# KiCad board jetson-agx-thor-baseboard.kicad_pcb (continued)
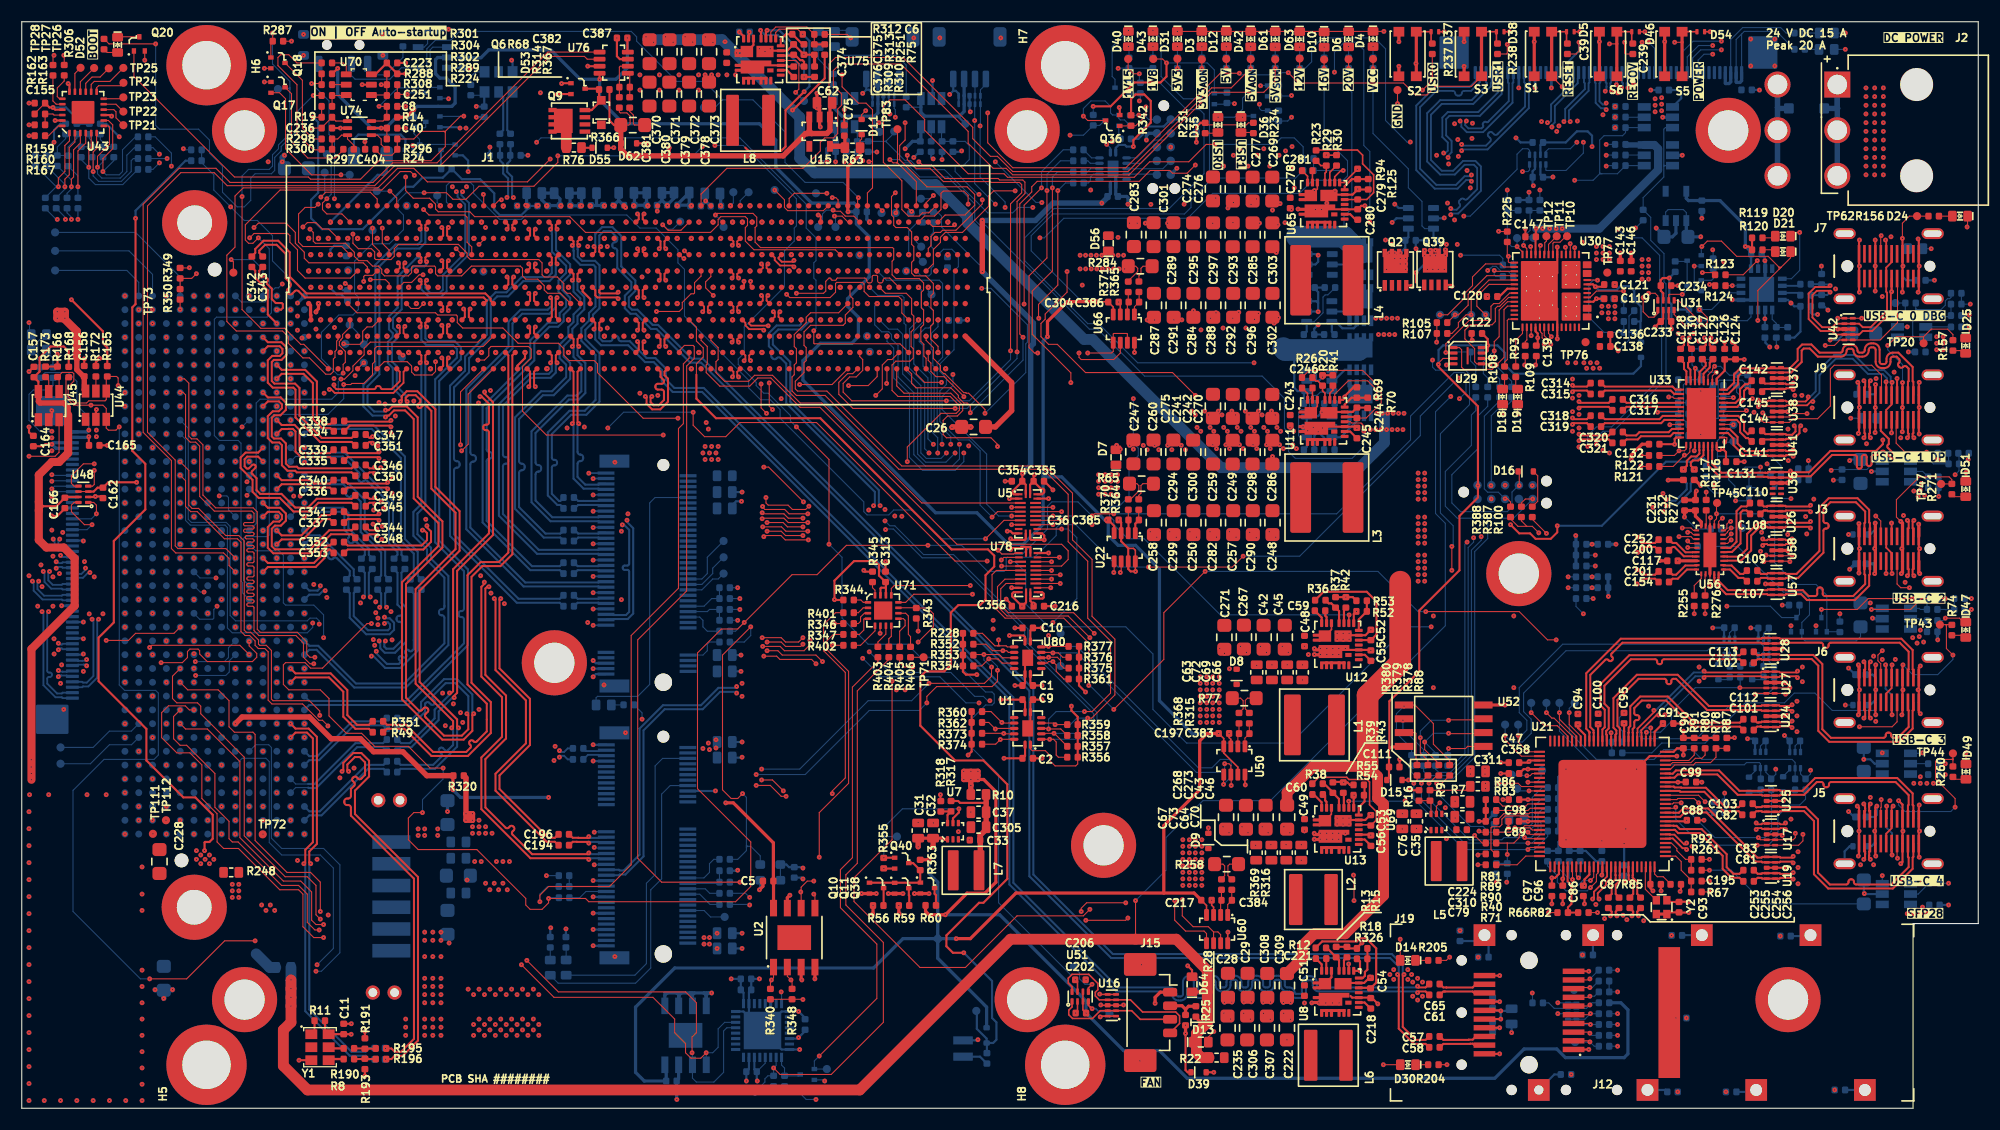
[diagram p0: board, top side]
## Footprints (pads in the part's own frame, mm; a bottom-side part is the same pattern mirrored in y, then rotated) (continued)
Bus_M.2_Socket_Key_E_TE_2199230-6
  round 1.1 hole 1.1 unplated: (-9.999,-1.499)
  round 1.6 hole 1.6 unplated: (9.999,-1.499)
  rect 0.3x1.55 smd: 1(-9.249,3.749) 2(-9.001,-3.749) 3(-8.751,3.749) 4(-8.501,-3.749) 5(-8.251,3.749) 6(-8,-3.749) 7(-7.75,3.749) 8(-7.5,-3.749) 9(-7.25,3.749) 10(-7,-3.749) 11(-6.75,3.749) 12(-6.5,-3.749) 13(-6.25,3.749) 14(-6,-3.749) 15(-5.75,3.749) 16(-5.5,-3.749) 17(-5.25,3.749) 18(-5.001,-3.749) 19(-4.751,3.749) 20(-4.501,-3.749) 21(-4.251,3.749) 22(-4.001,-3.749) 23(-3.75,3.749) 32(-1.5,-3.749) 33(-1.25,3.749) 34(-1,-3.749) 35(-0.75,3.749) 36(-0.5,-3.749) 37(-0.25,3.749) 38(0,-3.749) 39(0.25,3.749) 40(0.5,-3.749) 41(0.75,3.749) 42(1,-3.749) 43(1.25,3.749) 44(1.5,-3.749) 45(1.75,3.749) 46(2,-3.749) 47(2.25,3.749) 48(2.5,-3.749) 49(2.75,3.749) 50(3,-3.749) 51(3.25,3.749) 52(3.5,-3.749) 53(3.75,3.749) 54(4,-3.749) 55(4.25,3.749) 56(4.5,-3.749) 57(4.75,3.749) 58(5,-3.749) 59(5.25,3.749) 60(5.5,-3.749) 61(5.75,3.749) 62(6,-3.749) 63(6.25,3.749) 64(6.5,-3.749) 65(6.75,3.749) 66(6.999,-3.749) 67(7.249,3.749) 68(7.499,-3.749) 69(7.749,3.749) 70(7.999,-3.749) 71(8.249,3.749) 72(8.499,-3.749) 73(8.749,3.749) 74(8.999,-3.749) 75(9.249,3.749)
  rect 1.2x2.75 smd: MP(-10.35,3.001) MP(10.351,3.001)
Bus_M.2_Socket_Key_M_TE_1-2199230-6
  round 1.1 hole 1.1 unplated: (-10,-1.499)
  round 1.6 hole 1.6 unplated: (9.997,-1.499)
  rect 0.3x1.55 smd: 1(-9.25,3.775) 2(-9.003,-3.773) 3(-8.753,3.775) 4(-8.503,-3.773) 5(-8.253,3.775) 6(-8.001,-3.773) 7(-7.752,3.775) 8(-7.502,-3.773) 9(-7.252,3.775) 10(-7.002,-3.773) 11(-6.752,3.775) 12(-6.502,-3.773) 13(-6.252,3.775) 14(-6.002,-3.773) 15(-5.752,3.775) 16(-5.502,-3.773) 17(-5.252,3.775) 18(-5.002,-3.773) 19(-4.752,3.775) 20(-4.502,-3.773) 21(-4.252,3.775) 22(-4.002,-3.773) 23(-3.751,3.775) 24(-3.501,-3.773) 25(-3.251,3.775) 26(-3.001,-3.773) 27(-2.751,3.775) 28(-2.501,-3.773) 29(-2.251,3.775) 30(-2.001,-3.773) 31(-1.752,3.775) 32(-1.502,-3.773) 33(-1.252,3.775) 34(-1.002,-3.773) 35(-0.751,3.775) 36(-0.501,-3.773) 37(-0.251,3.775) 38(-0.001,-3.773) 39(0.248,3.775) 40(0.498,-3.773) 41(0.748,3.775) 42(0.998,-3.773) 43(1.249,3.775) 44(1.499,-3.773) 45(1.749,3.775) 46(1.999,-3.773) 47(2.249,3.775) 48(2.499,-3.773) 49(2.749,3.775) 50(2.999,-3.773) 51(3.249,3.775) 52(3.499,-3.773) 53(3.749,3.775) 54(3.999,-3.773) 55(4.248,3.775) 56(4.498,-3.773) 57(4.748,3.775) 58(4.998,-3.773) 67(7.248,3.775) 68(7.498,-3.773) 69(7.748,3.775) 70(7.998,-3.773) 71(8.247,3.775) 72(8.497,-3.773) 73(8.747,3.775) 74(8.997,-3.773) 75(9.247,3.775)
  rect 1.2x2.75 smd: MP1(-10.352,3) MP2(10.349,3)
C_0402_1005Metric
  rrect 0.59x0.64 smd: 1(-0.48,0) 2(0.48,0)
C_0603_1608Metric_EIA
  rrect 0.8x1.1 smd: 1(-0.7,0) 2(0.7,0)
C_0805_2012Metric
  rrect 1.2x1.3 smd: 1(-1.1,0) 2(1.1,0)
Conn_Amphenol_SFP28_1x20_UE763GA202600T
  round 1.6 hole 1.6 unplated: (0,4.8) (0,-4.8)
  rect 2x0.5 smd: 1(-4.1,3.4) 2(-4.1,2.6) 3(-4.1,1.8) 4(-4.1,1) 5(-4.1,0.2) 6(-4.1,-0.6) 7(-4.1,-1.4) 8(-4.1,-2.2) 9(-4.1,-3) 10(-4.1,-3.8) 11(4.1,-3.4) 12(4.1,-2.6) 13(4.1,-1.8) 14(4.1,-1) 15(4.1,-0.2) 16(4.1,0.6) 17(4.1,1.4) 18(4.1,2.2) 19(4.1,3) 20(4.1,3.8)
Conn_Amphenol_SFP28_Cage_U773GC16382071
  round 0.95 hole 0.95 unplated: (-7.125,1.6) (-7.125,-3.4) (-7.125,-8.1) (-4.8,6.2) (0,6.2) (4.8,6.2) (7.125,1.6) (7.125,-3.4) (7.125,-8.1)
  rect 2x2 hole 0.85: SH(-7.125,-0.9)
  rect 2x2 hole 1.1: SH(-7.125,-10.9) SH(-7.125,-20.9) SH(-7.125,-30.9) SH(7.125,4.1) SH(7.125,-5.9) SH(7.125,-15.9) SH(7.125,-25.9)
  rect 12.05x2 smd: SH(0,-12.9)
Conn_FFC_WE_68715014x22
  rrect 0.3x1.2 smd: 1(-12.25,2.15) 2(-11.75,2.15) 3(-11.25,2.15) 4(-10.75,2.15) 5(-10.25,2.15) 6(-9.75,2.15) 7(-9.25,2.15) 8(-8.75,2.15) 9(-8.25,2.15) 10(-7.75,2.15) 11(-7.25,2.15) 12(-6.75,2.15) 13(-6.25,2.15) 14(-5.75,2.15) 15(-5.25,2.15) 16(-4.75,2.15) 17(-4.25,2.15) 18(-3.75,2.15) 19(-3.25,2.15) 20(-2.75,2.15) 21(-2.25,2.15) 22(-1.75,2.15) 23(-1.25,2.15) 24(-0.75,2.15) 25(-0.25,2.15) 26(0.248,2.15) 27(0.748,2.15) 28(1.249,2.15) 29(1.749,2.15) 30(2.249,2.15) 31(2.749,2.15) 32(3.249,2.15) 33(3.749,2.15) 34(4.248,2.15) 35(4.748,2.15) 36(5.248,2.15) 37(5.749,2.15) 38(6.249,2.15) 39(6.749,2.15) 40(7.249,2.15) 41(7.749,2.15) 42(8.249,2.15) 43(8.749,2.15) 44(9.249,2.15) 45(9.749,2.15) 46(10.249,2.15) 47(10.749,2.15) 48(11.249,2.15) 49(11.749,2.15) 50(12.249,2.15)
  rrect 2.7x3 smd: MP1(-14.198,0.3) MP2(14.198,0.3)
Conn_Hermaphroditic_Molex_203456-0003_mirrored
  round 0.5 smd: A3(-28.4,-7.5) A4(-27.5,-7.5) A5(-26.6,-7.5) A6(-25.7,-7.5) A7(-24.8,-7.5) A8(-23.9,-7.5) A9(-23,-7.5) A10(-22.1,-7.5) A11(-21.2,-7.5) A12(-20.3,-7.5) A13(-19,-7.5) A14(-18.1,-7.5) A15(-17.2,-7.5) A16(-16.3,-7.5) A17(-15,-7.5) A18(-14.1,-7.5) A19(-13.2,-7.5) A20(-12.3,-7.5) A21(-11,-7.5) A22(-10.1,-7.5) A23(-9.2,-7.5) A24(-8.3,-7.5) A25(-7,-7.5) A26(-6.1,-7.5) A27(-5.2,-7.5) A28(-4.3,-7.5) A29(-3,-7.5) A30(-2.1,-7.5) A31(-1.2,-7.5) A32(-0.3,-7.5) A33(1,-7.5) A34(1.9,-7.5) A35(2.8,-7.5) A36(3.7,-7.5) A37(5,-7.5) A38(5.9,-7.5) A39(6.8,-7.5) A40(7.7,-7.5) A41(8.6,-7.5) A42(9.5,-7.5) A43(10.4,-7.5) A44(11.3,-7.5) A45(12.2,-7.5) A46(13.1,-7.5) A47(14,-7.5) A48(14.9,-7.5) A49(15.8,-7.5) A50(16.7,-7.5) A51(17.6,-7.5) A52(18.5,-7.5) A53(19.4,-7.5) A54(20.3,-7.5) A55(21.2,-7.5) A56(22.1,-7.5) A57(23,-7.5) A58(23.9,-7.5) A59(24.8,-7.5) A60(25.7,-7.5) A61(26.6,-7.5) A62(27.5,-7.5) A63(28.4,-7.5) B3(-28.2,-6) B4(-27.3,-6) B5(-26.4,-6) B6(-25.5,-6) B7(-24.6,-6) B8(-23.7,-6) B9(-22.8,-6) B10(-21.9,-6) B11(-21,-6) B12(-20.1,-6) B13(-19.2,-6) B14(-18.3,-6) B15(-17,-6) B16(-16.1,-6) B17(-15.2,-6) B18(-14.3,-6) B19(-13,-6) B20(-12.1,-6) B21(-11.2,-6) B22(-10.3,-6) B23(-9,-6) B24(-8.1,-6) B25(-7.2,-6) B26(-6.3,-6) B27(-5,-6) B28(-4.1,-6) B29(-3.2,-6) B30(-2.3,-6) B31(-1,-6) B32(-0.1,-6) B33(0.8,-6) B34(1.7,-6) B35(3,-6) B36(3.9,-6) B37(4.8,-6) B38(5.7,-6) B39(7,-6) B40(7.9,-6) B41(8.8,-6) B42(9.7,-6) B43(10.6,-6) B44(11.5,-6) B45(12.4,-6) B46(13.3,-6) B47(14.2,-6) B48(15.1,-6) B49(16,-6) B50(16.9,-6) B51(17.8,-6) B52(18.7,-6) B53(19.6,-6) B54(20.5,-6) B55(21.4,-6) B56(22.3,-6) B57(23.2,-6) B58(24.1,-6) B59(25,-6) B60(25.9,-6) B61(26.8,-6) B62(27.7,-6) B63(28.6,-6) C1(-30.2,-4.5) C2(-29.3,-4.5) C3(-28.4,-4.5) C4(-27.5,-4.5) C5(-26.6,-4.5) C6(-25.7,-4.5) C7(-24.8,-4.5) C8(-23.9,-4.5) C9(-23,-4.5) C10(-22.1,-4.5) C11(-21.2,-4.5) C12(-20.3,-4.5) C13(-19,-4.5) C14(-18.1,-4.5) C15(-17.2,-4.5) C16(-16.3,-4.5) C17(-15,-4.5) C18(-14.1,-4.5) C19(-13.2,-4.5) C20(-12.3,-4.5) C21(-11,-4.5) C22(-10.1,-4.5) C23(-9.2,-4.5) C24(-8.3,-4.5) C25(-7,-4.5) C26(-6.1,-4.5) C27(-5.2,-4.5) C28(-4.3,-4.5) C29(-3,-4.5) C30(-2.1,-4.5) C31(-1.2,-4.5) C32(-0.3,-4.5) C33(1,-4.5) C34(1.9,-4.5) C35(2.8,-4.5) C36(3.7,-4.5) C37(5,-4.5) C38(5.9,-4.5) C39(6.8,-4.5) C40(7.7,-4.5) C41(8.6,-4.5) C42(9.5,-4.5) C43(10.4,-4.5) C44(11.3,-4.5) C45(12.2,-4.5) C46(13.1,-4.5) C47(14,-4.5) C48(14.9,-4.5) C49(15.8,-4.5) C50(16.7,-4.5) C51(17.6,-4.5) C52(18.5,-4.5) C53(19.4,-4.5) C54(20.3,-4.5) C55(21.2,-4.5) C56(22.1,-4.5) C57(23,-4.5) C58(23.9,-4.5) C59(24.8,-4.5) C60(25.7,-4.5) C61(26.6,-4.5) C62(27.5,-4.5) C63(28.4,-4.5) C64(29.3,-4.5) C65(30.2,-4.5) D1(-30,-3) D2(-29.1,-3) D3(-28.2,-3) D4(-27.3,-3) D5(-26.4,-3) D6(-25.5,-3) D7(-24.6,-3) D8(-23.7,-3) D9(-22.8,-3) D10(-21.9,-3) D11(-21,-3) D12(-20.1,-3) D13(-19.2,-3) D14(-18.3,-3) D15(-17,-3) D16(-16.1,-3) D17(-15.2,-3) D18(-14.3,-3) D19(-13,-3) D20(-12.1,-3) D21(-11.2,-3) D22(-10.3,-3) D23(-9,-3) D24(-8.1,-3) D25(-7.2,-3) D26(-6.3,-3) D27(-5,-3) D28(-4.1,-3) D29(-3.2,-3) D30(-2.3,-3) D31(-1,-3) D32(-0.1,-3) D33(0.8,-3) D34(1.7,-3) D35(3,-3) D36(3.9,-3) D37(4.8,-3) D38(5.7,-3) D39(7,-3) D40(7.9,-3) D41(8.8,-3) D42(9.7,-3) D43(10.6,-3) D44(11.5,-3) D45(12.4,-3) D46(13.3,-3) D47(14.2,-3) D48(15.1,-3) D49(16,-3) D50(16.9,-3) D51(17.8,-3) D52(18.7,-3) D53(19.6,-3) D54(20.5,-3) D55(21.4,-3) D56(22.3,-3) D57(23.2,-3) D58(24.1,-3) D59(25,-3) D60(25.9,-3) D61(26.8,-3) D62(27.7,-3) D63(28.6,-3) D64(29.5,-3) D65(30.4,-3) E1(-30.2,-1.5) E2(-29.3,-1.5) E3(-28.4,-1.5) E4(-27.5,-1.5) E5(-26.6,-1.5) E6(-25.7,-1.5) E7(-24.8,-1.5) E8(-23.9,-1.5) E9(-23,-1.5) E10(-22.1,-1.5) E11(-21.2,-1.5) E12(-20.3,-1.5) E13(-19,-1.5) E14(-18.1,-1.5) E15(-17.2,-1.5) E16(-16.3,-1.5) E17(-15,-1.5) E18(-14.1,-1.5) E19(-13.2,-1.5) E20(-12.3,-1.5) E21(-11,-1.5) E22(-10.1,-1.5) E23(-9.2,-1.5) E24(-8.3,-1.5) E25(-7,-1.5) E26(-6.1,-1.5) E27(-5.2,-1.5) E28(-4.3,-1.5) E29(-3,-1.5) E30(-2.1,-1.5) E31(-1.2,-1.5) E32(-0.3,-1.5) E33(1,-1.5) E34(1.9,-1.5) E35(2.8,-1.5) E36(3.7,-1.5) E37(5,-1.5) E38(5.9,-1.5) E39(6.8,-1.5) E40(7.7,-1.5) E41(8.6,-1.5) E42(9.5,-1.5) E43(10.4,-1.5) E44(11.3,-1.5) E45(12.2,-1.5) E46(13.1,-1.5) E47(14,-1.5) E48(14.9,-1.5) E49(15.8,-1.5) E50(16.7,-1.5) E51(17.6,-1.5) E52(18.5,-1.5) E53(19.4,-1.5) E54(20.3,-1.5) E55(21.2,-1.5) E56(22.1,-1.5) E57(23,-1.5) E58(23.9,-1.5) E59(24.8,-1.5) E60(25.7,-1.5) E61(26.6,-1.5) E62(27.5,-1.5) E63(28.4,-1.5) E64(29.3,-1.5) E65(30.2,-1.5) F1(-30,0) F2(-29.1,0) F3(-28.2,0) F4(-27.3,0) F5(-26.4,0) F6(-25.5,0) F7(-24.6,0) F8(-23.7,0) F9(-22.8,0) F10(-21.9,0) F11(-21,0) F12(-20.1,0) F13(-19.2,0) F14(-18.3,0) F15(-17,0) F16(-16.1,0) F17(-15.2,0) F18(-14.3,0) F19(-13,0) F20(-12.1,0) F21(-11.2,0) F22(-10.3,0) F23(-9,0) F24(-8.1,0) F25(-7.2,0) F26(-6.3,0) F27(-5,0) F28(-4.1,0) F29(-3.2,0) F30(-2.3,0) F31(-1,0) F32(-0.1,0) F33(0.8,0) F34(1.7,0) F35(3,0) F36(3.9,0) F37(4.8,0) F38(5.7,0) F39(7,0) F40(7.9,0) F41(8.8,0) F42(9.7,0) F43(10.6,0) F44(11.5,0) F45(12.4,0) F46(13.3,0) F47(14.2,0) F48(15.1,0) F49(16,0) F50(16.9,0) F51(17.8,0) F52(18.7,0) F53(19.6,0) F54(20.5,0) F55(21.4,0) F56(22.3,0) F57(23.2,0) F58(24.1,0) F59(25,0) F60(25.9,0) F61(26.8,0) F62(27.7,0) F63(28.6,0) F64(29.5,0) F65(30.4,0) G1(-30.2,1.5) G2(-29.3,1.5) G3(-28.4,1.5) G4(-27.5,1.5) G5(-26.6,1.5) G6(-25.7,1.5) G7(-24.8,1.5) G8(-23.9,1.5) G9(-23,1.5) G10(-22.1,1.5) G11(-21.2,1.5) G12(-20.3,1.5) G13(-19,1.5) G14(-18.1,1.5) G15(-17.2,1.5) G16(-16.3,1.5) G17(-15,1.5) G18(-14.1,1.5) G19(-13.2,1.5) G20(-12.3,1.5) G21(-11,1.5) G22(-10.1,1.5) G23(-9.2,1.5) G24(-8.3,1.5) G25(-7,1.5) G26(-6.1,1.5) G27(-5.2,1.5) G28(-4.3,1.5) G29(-3,1.5) G30(-2.1,1.5) G31(-1.2,1.5) G32(-0.3,1.5) G33(1,1.5) G34(1.9,1.5) G35(2.8,1.5) G36(3.7,1.5) G37(5,1.5) G38(5.9,1.5) G39(6.8,1.5) G40(7.7,1.5) G41(8.6,1.5) G42(9.5,1.5) G43(10.4,1.5) G44(11.3,1.5) G45(12.2,1.5) G46(13.1,1.5) G47(14,1.5) G48(14.9,1.5) G49(15.8,1.5) G50(16.7,1.5) G51(17.6,1.5) G52(18.5,1.5) G53(19.4,1.5) G54(20.3,1.5) G55(21.2,1.5) G56(22.1,1.5) G57(23,1.5) G58(23.9,1.5) G59(24.8,1.5) G60(25.7,1.5) G61(26.6,1.5) G62(27.5,1.5) G63(28.4,1.5) G64(29.3,1.5) G65(30.2,1.5) H1(-30,3) H2(-29.1,3) H3(-28.2,3) H4(-27.3,3) H5(-26.4,3) H6(-25.5,3) H7(-24.6,3) H8(-23.7,3) H9(-22.8,3) H10(-21.9,3) H11(-21,3) H12(-20.1,3) H13(-19.2,3) H14(-18.3,3) H15(-17,3) H16(-16.1,3) H17(-15.2,3) H18(-14.3,3) H19(-13,3) H20(-12.1,3) H21(-11.2,3) H22(-10.3,3) H23(-9,3) H24(-8.1,3) H25(-7.2,3) H26(-6.3,3) H27(-5,3) H28(-4.1,3) H29(-3.2,3) H30(-2.3,3) H31(-1,3) H32(-0.1,3) H33(0.8,3) H34(1.7,3) H35(3,3) H36(3.9,3) H37(4.8,3) H38(5.7,3) H39(7,3) H40(7.9,3) H41(8.8,3) H42(9.7,3) H43(10.6,3) H44(11.5,3) H45(12.4,3) H46(13.3,3) H47(14.2,3) H48(15.1,3) H49(16,3) H50(16.9,3) H51(17.8,3) H52(18.7,3) H53(19.6,3) H54(20.5,3) H55(21.4,3) H56(22.3,3) H57(23.2,3) H58(24.1,3) H59(25,3) H60(25.9,3) H61(26.8,3) H62(27.7,3) H63(28.6,3) H64(29.5,3) H65(30.4,3) J1(-30.2,4.5) J2(-29.3,4.5) J3(-28.4,4.5) J4(-27.5,4.5) J5(-26.6,4.5) J6(-25.7,4.5) J7(-24.8,4.5) J8(-23.9,4.5) J9(-23,4.5) J10(-22.1,4.5) J11(-21.2,4.5) J12(-20.3,4.5) J13(-19,4.5) J14(-18.1,4.5) J15(-17.2,4.5) J16(-16.3,4.5) J17(-15,4.5) J18(-14.1,4.5) J19(-13.2,4.5) J20(-12.3,4.5) J21(-11,4.5) J22(-10.1,4.5) J23(-9.2,4.5) J24(-8.3,4.5) J25(-7,4.5) J26(-6.1,4.5) J27(-5.2,4.5) J28(-4.3,4.5) J29(-3,4.5) J30(-2.1,4.5) J31(-1.2,4.5) J32(-0.3,4.5) J33(1,4.5) J34(1.9,4.5) J35(2.8,4.5) J36(3.7,4.5) J37(5,4.5) J38(5.9,4.5) J39(6.8,4.5) J40(7.7,4.5) J41(8.6,4.5) J42(9.5,4.5) J43(10.4,4.5) J44(11.3,4.5) J45(12.2,4.5) J46(13.1,4.5) J47(14,4.5) J48(14.9,4.5) J49(15.8,4.5) J50(16.7,4.5) J51(17.6,4.5) J52(18.5,4.5) J53(19.4,4.5) J54(20.3,4.5) J55(21.2,4.5) J56(22.1,4.5) J57(23,4.5) J58(23.9,4.5) J59(24.8,4.5) J60(25.7,4.5) J61(26.6,4.5) J62(27.5,4.5) J63(28.4,4.5) J64(29.3,4.5) J65(30.2,4.5) K3(-28.2,6) K4(-27.3,6) K5(-26.4,6) K6(-25.5,6) K7(-24.6,6) K8(-23.7,6) K9(-22.8,6) K10(-21.9,6) K11(-21,6) K12(-20.1,6) K13(-19.2,6) K14(-18.3,6) K15(-17,6) K16(-16.1,6) K17(-15.2,6) K18(-14.3,6) K19(-13,6) K20(-12.1,6) K21(-11.2,6) K22(-10.3,6) K23(-9,6) K24(-8.1,6) K25(-7.2,6) K26(-6.3,6) K27(-5,6) K28(-4.1,6) K29(-3.2,6) K30(-2.3,6) K31(-1,6) K32(-0.1,6) K33(0.8,6) K34(1.7,6) K35(3,6) K36(3.9,6) K37(4.8,6) K38(5.7,6) K39(7,6) K40(7.9,6) K41(8.8,6) K42(9.7,6) K43(10.6,6) K44(11.5,6) K45(12.4,6) K46(13.3,6) K47(14.2,6) K48(15.1,6) K49(16,6) K50(16.9,6) K51(17.8,6) K52(18.7,6) K53(19.6,6) K54(20.5,6) K55(21.4,6) K56(22.3,6) K57(23.2,6) K58(24.1,6) K59(25,6) K60(25.9,6) K61(26.8,6) K62(27.7,6) K63(28.6,6) L3(-28.4,7.5) L4(-27.5,7.5) L5(-26.6,7.5) L6(-25.7,7.5) L7(-24.8,7.5) L8(-23.9,7.5) L9(-23,7.5) L10(-22.1,7.5) L11(-21.2,7.5) L12(-20.3,7.5) L13(-19,7.5) L14(-18.1,7.5) L15(-17.2,7.5) L16(-16.3,7.5) L17(-15,7.5) L18(-14.1,7.5) L19(-13.2,7.5) L20(-12.3,7.5) L21(-11,7.5) L22(-10.1,7.5) L23(-9.2,7.5) L24(-8.3,7.5) L25(-7,7.5) L26(-6.1,7.5) L27(-5.2,7.5) L28(-4.3,7.5) L29(-3,7.5) L30(-2.1,7.5) L31(-1.2,7.5) L32(-0.3,7.5) L33(1,7.5) L34(1.9,7.5) L35(2.8,7.5) L36(3.7,7.5) L37(5,7.5) L38(5.9,7.5) L39(6.8,7.5) L40(7.7,7.5) L41(8.6,7.5) L42(9.5,7.5) L43(10.4,7.5) L44(11.3,7.5) L45(12.2,7.5) L46(13.1,7.5) L47(14,7.5) L48(14.9,7.5) L49(15.8,7.5) L50(16.7,7.5) L51(17.6,7.5) L52(18.5,7.5) L53(19.4,7.5) L54(20.3,7.5) L55(21.2,7.5) L56(22.1,7.5) L57(23,7.5) L58(23.9,7.5) L59(24.8,7.5) L60(25.7,7.5) L61(26.6,7.5) L62(27.5,7.5) L63(28.4,7.5)
Conn_JST_SH_1x4_SM04B-SRSS-TB-LF-SN
  rrect 0.6x1.55 smd: 1(-1.5,2.12) 2(-0.5,2.12) 3(0.5,2.12) 4(1.5,2.12)
  rrect 1.2x1.8 smd: MP(-2.8,-1.755) MP(2.8,-1.755)
Conn_Molex_PicoBlade_1x4_0533980471
  rrect 0.8x1.3 smd: 1(-1.875,1.75) 2(-0.625,1.75) 3(0.623,1.75) 4(1.874,1.75)
  rrect 2.1x3 smd: MP1(-4.425,-0.998) MP2(4.424,-0.998)
Conn_Plug_Samtec_UMPT_1x6_UMPT-06-06.5-G-V-S-W-TR
  rect 1.25x3.5 smd: 1(-5,0) 2(-3,0) 3(-1,0) 4(1,0) 5(3,0) 6(5,0)
  round 1.308 hole 0.8: MP1(8.85,-0.3) MP1(8.85,1.7) MP2(-8.85,-0.8) MP2(-8.85,1.2)
D_SOD-123
  rrect 0.9x0.95 smd: 1(-1.625,0.001) 2(1.625,0.001)
D_SOD-323
  rect 0.8x0.8 smd: 1(-1.125,-0.001) 2(1.124,-0.001)
DHVQFN-14-1EP_2.5x3mm
  oval 0.3x0.8 smd: 1(-0.25,1.5) 7(-0.25,-1.499) 8(0.244,-1.499) 14(0.244,1.5)
  oval 0.8x0.3 smd: 2(-1.25,1) 3(-1.25,0.5) 4(-1.25,0) 5(-1.25,-0.494) 6(-1.25,-0.994) 9(1.249,-0.994) 10(1.249,-0.494) 11(1.249,0) 12(1.249,0.5) 13(1.249,1)
  rect 1x1.5 smd: 15(0,0)
IC_TPS65987DDHRSHR
  rrect 0.8x0.65 smd: 1(-3.351,2.4) 3(-3.351,1.601) 11(-3.351,-1.6) 13(-3.351,-2.398)
  rrect 0.7x0.2 smd: 5(-3.351,1) 6(-3.351,0.6) 7(-3.351,0.202) 8(-3.351,-0.2) 9(-3.351,-0.598) 10(-3.351,-0.998) 29(3.35,-2.6) 30(3.35,-2.2) 31(3.35,-1.8) 32(3.35,-1.398) 33(3.35,-0.998) 34(3.35,-0.598) 35(3.35,-0.2) 36(3.35,0.202) 37(3.35,0.6) 38(3.35,1) 39(3.35,1.401) 40(3.35,1.801) 41(3.35,2.202) 42(3.35,2.601)
  rrect 0.2x0.7 smd: 15(-2.601,-3.35) 16(-2.202,-3.35) 17(-1.801,-3.35) 18(-1.401,-3.35) 19(-1,-3.35) 20(-0.6,-3.35) 21(-0.202,-3.35) 22(0.2,-3.35) 23(0.598,-3.35) 24(0.998,-3.35) 25(1.398,-3.35) 26(1.8,-3.35) 27(2.2,-3.35) 28(2.6,-3.35) 43(2.6,3.351) 44(2.2,3.351) 45(1.8,3.351) 46(1.398,3.351) 47(0.998,3.351) 48(0.598,3.351) 49(0.2,3.351) 50(-0.202,3.351) 51(-0.6,3.351) 52(-1,3.351) 53(-1.401,3.351) 54(-1.801,3.351) 55(-2.202,3.351) 56(-2.601,3.351)
  round 0.45 hole 0.1: 57(-2.351,2.327) 57(-2.351,1.45) 57(-2.351,0.576) 57(-1.401,2.327) 57(-1.401,1.45) 57(-1.401,0.577) 58(-2.351,-0.598) 58(-2.351,-1.475) 58(-2.351,-2.35) 58(-1.401,-0.598) 58(-1.401,-1.475) 58(-1.401,-2.349) 59(-0.152,-1.322) 59(-0.15,1.321) 59(-0.15,0) 59(1.048,2.504) 59(1.048,1.327) 59(1.048,-1.322) 59(1.048,-2.496) 59(1.05,0) 59(2.248,1.327) 59(2.248,0.001) 59(2.248,-1.322)
  rrect 1.75x2.6 smd: 57(-1.875,1.45)
  rrect 1.75x2.55 smd: 58(-1.875,-1.475)
  rrect 3.4x5.5 smd: 59(1.05,0)
L_Bourns-SRP5030CA
  rrect 1.25x4.7 smd: 1(-1.625,0) 2(1.625,0)
L_Bourns-SRP6050CA
  rrect 1.55x5.6 smd: 1(-2.025,0) 2(2.025,0)
L_Coilcraft-XAL5030
  rrect 1.18x4.7 smd: 1(-1.655,0) 2(1.655,0)
L_Coilcraft-XAL7070
  rrect 1.92x6.5 smd: 1(-2.41,0) 2(2.41,0)
L_MPS-MPL-AL5050
  rrect 1.25x4.7 smd: 1(-1.625,0) 2(1.625,0)
L_WE-MAPI-4020
  rrect 1x3.7 smd: 1(-1.185,0) 2(1.185,0)
LED_0603_1608Metric_G
  rrect 0.8x1 smd: 1(-0.7,0) 2(0.7,0)
LED_0603_1608Metric_Y
  rrect 0.8x1 smd: 1(-0.7,0) 2(0.7,0)
MLP44-24L_4x4x0.75mm
  rrect 0.725x0.3 smd: 1(-1.94,0.825) 2(-1.94,0.375) 3(-1.94,-0.525) 4(-1.94,-0.975) 11(1.94,-1.425) 12(1.94,-0.975) 13(1.94,-0.525) 14(1.94,-0.075) 15(1.94,0.375) 16(1.94,0.825) 17(1.94,1.275)
  custom 2.35x0.725 smd: 5(-1.475,-1.94)
  rrect 0.3x0.725 smd: 6(-1.025,-1.94) 7(-0.575,-1.94) 8(0.125,-1.94) 9(0.575,-1.94) 10(1.025,-1.935) 18(1.475,1.94) 19(1.025,1.94) 20(0.575,1.94) 21(0.125,1.94) 22(-0.575,1.94) 23(-1.025,1.94) 24(-1.475,1.94)
  rect 1.575x1.05 smd: 25(0.49,0.75)
  rect 1.15x1.05 smd: 26(-1.175,0.75)
  custom 2.825x1.2 smd: 27(-0.75,-0.775)
  rect 0.58x0.38 smd: 28(0.985,-0.99)
Molex_Mini-Fit_2x3_50362462
  round 3.05 hole 3 unplated: (0,7.3) (8.4,7.3)
  rect 2.4x2.4 hole 1.8: 1(0,0)
  round 2.4 hole 1.8: 2(4.2,0) 3(8.4,0) 4(0,-5.5) 5(4.2,-5.5) 6(8.4,-5.5)
MS621FE-FL11E
  rect 0.75x1.8 smd: 1(-0.75,4.05) 2(0.75,4.05)
Oscillator_SMD_Abracon_AK3LPHEF1_3.2x2.5x1mm
  rect 1.05x0.92 smd: 1(-0.925,1.24) 3(-0.925,-1.34) 4(0.925,-1.34) 6(0.925,1.24)
  rect 1.05x0.8 smd: 2(-0.925,-0.05) 5(0.925,-0.05)
Oscillator_SMD_Abracon_AX3_3.2x2.5x1mm
  rect 1.1x0.9 smd: 1(-0.8,1.199) 2(-0.8,0) 3(-0.8,-1.199) 4(0.801,-1.199) 5(0.801,0) 6(0.801,1.199)
Oscillator_SMD_ECS_2016MV_2x1.6x0.85mm
  rect 0.686x0.787 smd: 1(-0.486,0.637) 2(-0.486,-0.636) 3(0.487,-0.636) 4(0.487,0.637)
Oscillator_SMD_ECS_2520MV_2.5x2mm
  rrect 0.8x0.9 smd: 1(-0.725,0.927) 2(-0.725,-0.925) 3(0.723,-0.925) 4(0.723,0.927)
PCM12SMTR
  round 0.9 hole 0.9 unplated: (-1.502,-0.049) (1.499,-0.049)
  rrect 0.7x1.5 smd: 1(-2.25,1.7) 2(0.749,1.7) 3(2.248,1.7)
  rrect 1x0.8 smd: S1(-3.651,0.915) S2(-3.651,-1.013) S3(3.65,-1.013) S4(3.65,0.915)
QFN-2L_1.6x1x0.55mm
  rrect 0.8x1 smd: 1(-0.7,0) 2(0.7,0)
QFN-16-1EP_4x4mm_P0.65mm
  rect 0.8x0.4 smd: 1(-1.9,0.975) 2(-1.9,0.325) 3(-1.9,-0.325) 4(-1.9,-0.975) 9(1.9,-0.975) 10(1.9,-0.325) 11(1.9,0.325) 12(1.9,0.975)
  rect 0.4x0.8 smd: 5(-0.975,-1.9) 6(-0.325,-1.9) 7(0.325,-1.9) 8(0.975,-1.9) 13(0.975,1.9) 14(0.325,1.9) 15(-0.325,1.9) 16(-0.975,1.9)
  rect 2.3x2.3 smd: 17(0,0)
QFN-32-1EP_5x5mm
  rect 0.85x0.28 smd: 1(-2.495,1.702) 2(-2.495,1.2) 3(-2.495,0.701) 4(-2.495,0.201) 5(-2.495,-0.296) 6(-2.495,-0.8) 7(-2.495,-1.3) 8(-2.495,-1.8) 17(2.456,-1.8) 18(2.456,-1.3) 19(2.456,-0.8) 20(2.456,-0.296) 21(2.456,0.201) 22(2.456,0.701) 23(2.456,1.2) 24(2.456,1.702)
  rect 0.28x0.85 smd: 9(-1.768,-2.523) 10(-1.269,-2.523) 11(-0.772,-2.523) 12(-0.272,-2.523) 13(0.229,-2.523) 14(0.728,-2.523) 15(1.23,-2.523) 16(1.73,-2.523) 25(1.73,2.426) 26(1.23,2.426) 27(0.728,2.426) 28(0.229,2.426) 29(-0.272,2.426) 30(-0.772,2.426) 31(-1.269,2.426) 32(-1.768,2.426)
  rect 3.45x3.45 smd: 33(-0.02,-0.048)
R_0402_1005Metric
  rrect 0.59x0.64 smd: 1(-0.48,0) 2(0.48,0)
R_0603_1608Metric
  rrect 0.8x1 smd: 1(-0.7,0) 2(0.7,0)
R_0805_2012Metric
  rrect 1.2x1.3 smd: 1(-1.1,0) 2(1.1,0)
R_1206_3216Metric
  rrect 1.15x1.8 smd: 1(-1.5,-0.001) 2(1.5,-0.001)
SC-70-6
  rrect 0.85x0.35 smd: 1(-1.1,0.65) 2(-1.1,0) 3(-1.1,-0.65) 4(1.1,-0.65) 5(1.1,0) 6(1.1,0.65)
SOD-523
  rrect 0.5x0.6 smd: 1(-0.701,0) 2(0.699,0)
SOIC-8-1EP_3.9x4.9x1.75mm_P1.27mm
  rect 1.525x0.65 smd: 1(-2.715,1.905) 2(-2.715,0.635) 3(-2.715,-0.635) 4(-2.715,-1.905) 5(2.71,-1.905) 6(2.71,-0.635) 7(2.71,0.635) 8(2.71,1.905)
  rect 2.29x3.1 smd: 9(0,0)
SOIJ-8_5.28x5.28x2.0mm_P1.27mm
  rect 1.7x0.65 smd: 1(-3.65,1.905) 2(-3.65,0.635) 3(-3.65,-0.635) 4(-3.65,-1.905) 5(3.65,-1.905) 6(3.65,-0.635) 7(3.65,0.635) 8(3.65,1.905)
SOT-23-5
  rect 1x0.55 smd: 1(-1.351,0.951) 2(-1.351,0) 3(-1.351,-0.949) 4(1.35,-0.949) 5(1.35,0.951)
SOT-23-6
  rrect 0.55x1 smd: 1(-0.954,-1.1) 2(-0.003,-1.1) 3(0.947,-1.1) 4(0.947,1.214) 5(-0.003,1.214) 6(-0.954,1.214)
SOT-23-8
  rrect 1.1x0.45 smd: 1(-1.3,0.975) 2(-1.3,0.325) 3(-1.3,-0.325) 4(-1.3,-0.975) 5(1.3,-0.975) 6(1.3,-0.325) 7(1.3,0.325) 8(1.3,0.975)
SOT-523
  rect 0.4x0.51 smd: 1(-0.5,-0.65) 2(0.498,-0.65) 3(0,0.652)
SOT-563
  rrect 0.6x0.3 smd: 1(-0.749,0.499) 2(-0.749,-0.001) 3(-0.749,-0.497) 4(0.747,-0.497) 5(0.747,-0.001) 6(0.747,0.499)
Spacer_Drill3.7mm_H2.5mm_9774025151R
  custom 2.563x2.563 smd: (-1.7,-1.7) (-1.7,1.7) (1.7,-1.7) (1.7,1.7)
  round 6 hole 3.7: 1(0,0)
Spacer_Drill3.7mm_H6.5mm_9774065151R
  custom 2.563x2.563 smd: (-1.7,-1.7) (-1.7,1.7) (1.7,-1.7) (1.7,1.7)
  round 6 hole 3.7: 1(0,0)
Spacer_Drill4.45mm_H4mm_9774040960R
  custom 1.466x3.445 smd rot 122.5: (-2.55,0.55) (2.55,-0.55)
  custom 1.466x3.445 smd rot 32.5: (-0.55,-2.55) (0.55,2.55)
  round 7.4 hole 4.45: 1(0,0)
SW_KMR211NGLFS_SMD
  rect 0.9x1 smd: 1(-2.048,0.8) 2(2.05,0.8) 3(-2.048,-0.802) 4(2.05,-0.802)
Tag-Connect_TC2050-IDC-NL_2x5_P1.27mm
  round 0.991 hole 0.991 unplated: (-3.81,0) (3.809,-1.015) (3.809,1.016)
  round 0.787 smd: 1(-2.54,-0.634) 2(-1.27,-0.634) 3(0,-0.634) 4(1.269,-0.634) 5(2.539,-0.634) 6(2.539,0.635) 7(1.269,0.635) 8(0,0.635) 9(-1.27,0.635) 10(-2.54,0.635)
TP_SMD_0.75mm
  round 0.75 smd: 1(0,0)
TSOT23-6
  rect 1.2x0.7 smd: 1(-1.301,0.947) 2(-1.301,-0.004) 3(-1.301,-0.954) 4(1.299,-0.954) 5(1.299,-0.004) 6(1.299,0.947)
UQFN-24_2x4mm_P0.4mm_Texas_RJW0024A
  rect 0.7x0.2 smd: 1(-0.85,1.8) 2(-0.85,1.4) 9(-0.85,-1.4) 10(-0.85,-1.8) 13(0.85,-1.8) 14(0.85,-1.4) 21(0.85,1.4) 22(0.85,1.8)
  rect 1x0.2 smd: 3(-0.7,1) 4(-0.7,0.6) 5(-0.7,0.2) 6(-0.7,-0.2) 7(-0.7,-0.6) 8(-0.7,-1) 15(0.7,-1) 16(0.7,-0.6) 17(0.7,-0.2) 18(0.7,0.2) 19(0.7,0.6) 20(0.7,1)
  rect 0.2x0.75 smd: 11(-0.2,-1.825) 12(0.2,-1.825) 23(0.2,1.825) 24(-0.2,1.825)
USB-C_Receptacle_Kycon_KUSBX-SL2-CS1N24-B-TR
  round 1.1 hole 1.1 unplated: (0,7.6)
  round 1 hole 1 unplated: (0,0)
  rect 1.625x0.25 smd: A1(1.137,6.525) A2(1.137,6.025) A3(1.137,5.525) A4(1.137,5.025) A5(1.137,4.525) A6(1.137,4.025) A7(1.137,3.525) A8(1.137,3.025) A9(1.137,2.525) A10(1.137,2.025) A11(1.137,1.525) A12(1.137,1.025) B1(-1.137,1.025) B2(-1.137,1.525) B3(-1.137,2.025) B4(-1.137,2.525) B5(-1.137,3.025) B6(-1.137,3.525) B7(-1.137,4.025) B8(-1.137,4.525) B9(-1.137,5.025) B10(-1.137,5.525) B11(-1.137,6.025) B12(-1.137,6.525)
  oval 1x2.05 hole 0.6x1.65: SH(-3,7.849) SH(-3,-0.25) SH(3,7.849) SH(3,-0.25)
USON-8_2x3mm_P0.5mm
  rrect 0.7x0.3 smd: 1(-1.273,0.75) 2(-1.273,0.25) 3(-1.273,-0.248) 4(-1.273,-0.748) 5(1.276,-0.748) 6(1.276,-0.248) 7(1.276,0.25) 8(1.276,0.75)
  rrect 0.2x1.6 smd: EP(0,0)
USON-10_2.5x1mm_P0.5mm
  rrect 0.55x0.25 smd: 1(-0.387,1) 2(-0.387,0.5) 4(-0.387,-0.498) 5(-0.387,-0.998) 6(0.385,-0.998) 7(0.385,-0.498) 9(0.385,0.5) 10(0.385,1)
  rrect 0.55x0.4 smd: 3(-0.387,0) 8(0.385,0)
Vishay_PowerPAK_1212-8_Single
  rect 0.99x0.405 smd: 1(-1.436,0.99) 2(-1.436,0.332) 3(-1.436,-0.33) 4(-1.436,-0.988)
  custom 2.235x2.39 smd: 5(0.557,0)
VQFN-16-1EP_3x3mm_P0.5mm_EP1.68x1.68mm
  rrect 0.6x0.25 smd: 1(-1.4,0.75) 2(-1.4,0.25) 3(-1.4,-0.25) 4(-1.4,-0.75) 9(1.4,-0.75) 10(1.4,-0.25) 11(1.4,0.25) 12(1.4,0.75)
  rrect 0.25x0.6 smd: 5(-0.75,-1.4) 6(-0.25,-1.4) 7(0.25,-1.4) 8(0.75,-1.4) 13(0.75,1.4) 14(0.25,1.4) 15(-0.25,1.4) 16(-0.75,1.4)
  rrect 1.68x1.68 smd: 17(0,0)
